# Allegro board pc051b_toplevel_177.brd (continued)
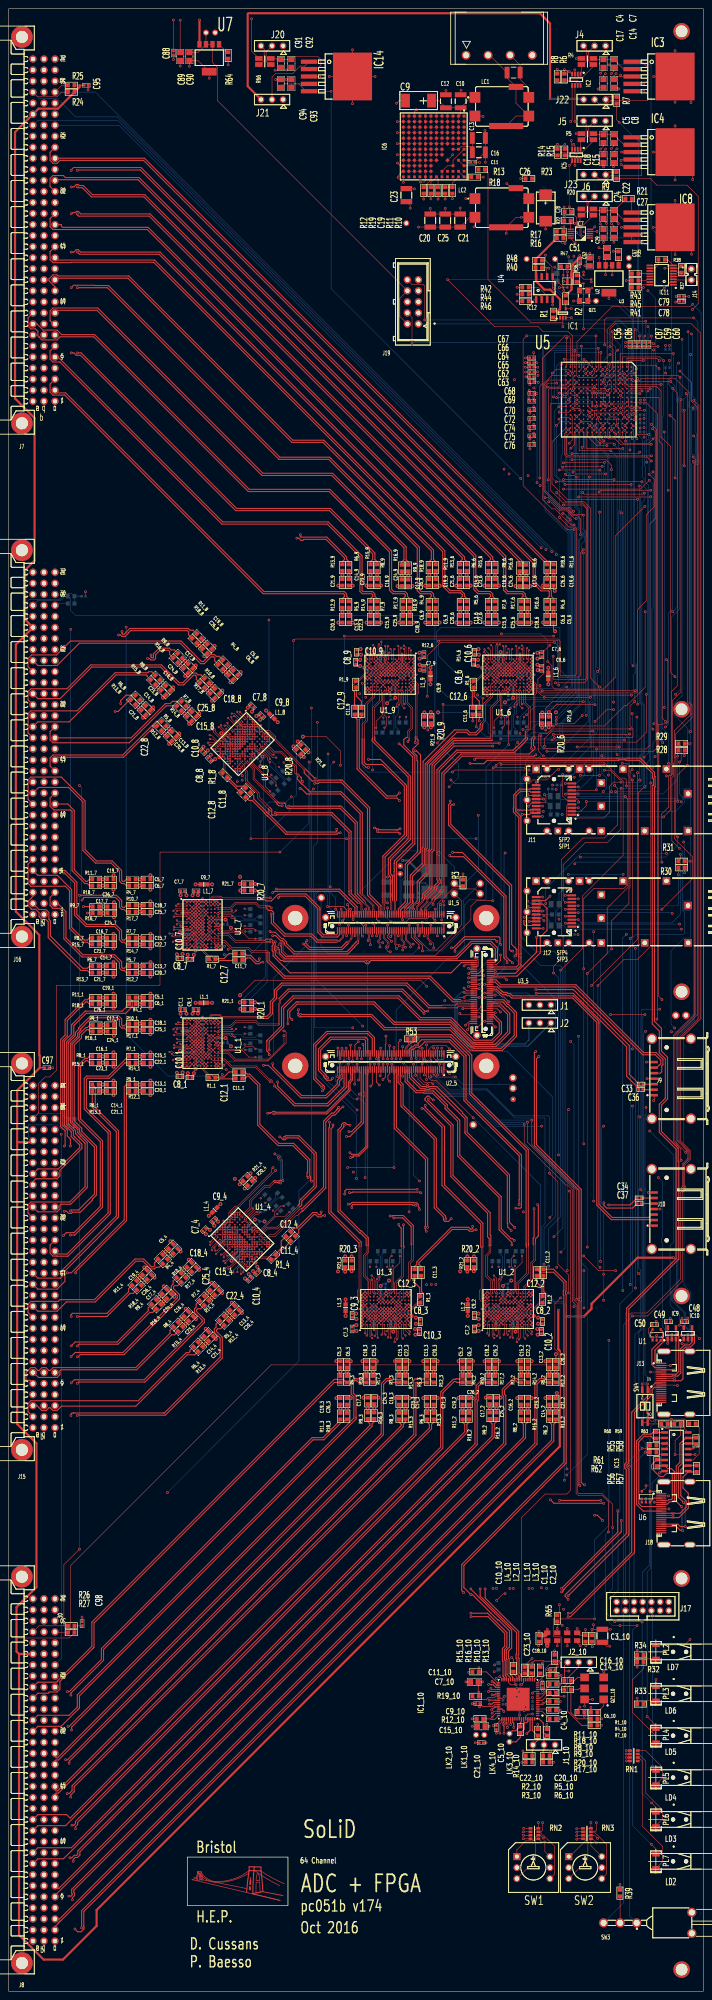
[diagram p0: board, top side]
## Nets (continued)

## Via types
v1: diameter 0.61, hole 0.33, TOP to BOTTOM, 1366 vias
v2: diameter 0.476, hole 0.2, TOP to BOTTOM, 896 vias
v3: diameter 0.914, hole 0.406, TOP to BOTTOM, 408 vias

## Routing (per net, layer and track width the routed paths; a pad name or vN(x,y) marks a point on that pad's centre or on a via; arc(x,y) is an arc through that point)
1.5VOUT: length 29.9
  TOP w0.18: U2_5.20 v1(95.75,214.57)
  L4 w0.13: LK10.1 98.5,205.25 95.16,208.59 95.16,212.15 95.75,212.75 v1(95.75,214.57)
1.8VOUT: length 12.1
  TOP w0.18: U1_5.40 v1(90.75,246.57)
  BOTTOM w0.13: LK11.1 90.14,257.09 90.14,247.17 v1(90.75,246.57)
3.3VCTREF: length 21
  TOP w0.18: U1_5.13 v1(97.25,245.33)
  BOTTOM w0.13: v1(97.25,245.33) 95.78,246.8 91.5,246.8 90.4,247.9 90.4,255.52 91.25,256.37 91.25,257.9 LK12.1
3.3VOUT: length 22.3
  TOP w0.13: v1(102.88,210.37) 98.44,210.37 97.95,210.87 98.25,211.17 U2_5.9
  TOP w0.18: U2_5.11 97.75,210.87 97.95,210.87
  BOTTOM w0.13: LK1.1 115.29,208.66 104.58,208.66 v1(102.88,210.37)
3V3_CONN: length 93.2
  TOP w0.13: LK20.1 U7.3 ; U7.3 45.45,447.96 43.59,446.1 C90.2 ; U7.3 U7.2 46.95,443.83 48.11,442.67 48.11,435.01 J19.8 90.1,389.56 90.1,385.4 J19.2
DGND: length 24.3
  TOP w0.13: LC1.6 116.9,431.5 LC1.4 116.85,434.45 LC1.5 114.8,440.25 C6.1 110.8,445.5 J3.2
GND_SIGNAL: length 2715.6
  TOP w0.13: U1_6.H3 v2(115,305.35) U1_6.G3 ; U1_6.H3 v2(114.2,304.55) ; U1_6.H3 v2(115,304.55) ; v1(130.85,35) 130.95,35.1 RN3.4 ; U1_2.A5 v2(109.45,156.2) U1_2.A4 ; U1_2.A5 109.45,157 ; U1_2.A5 v2(110.25,156.2) ; U1_6.P3 109.5,304.95 v3(109.1,304.55) ; U1_6.P3 v2(110.2,304.55) ; U1_6.P3 v2(110.2,305.35) U1_6.P2 v2(109.4,306.15) U1_6.P1 v2(109.4,306.95) ; v2(45.45,250.2) U1_7.A7 v2(45.45,251) U1_7.A6 ; v2(45.45,250.2) U1_7.A6 ; v2(45.45,250.2) U1_7.B7 ; U1_2.H5 v2(115.05,157) ; U1_2.H5 v2(115.85,157) ; U1_2.H5 v2(115.05,156.2) ; U1_2.H5 v2(115.85,156.2) ; v2(115.05,157) U1_2.H6 v2(115.85,157) ; v2(115.05,157) U1_2.G5 ; v2(115.05,157) U1_2.G6 v2(114.25,157) ; v2(52.72,288.13) U1_8.G3 ; v2(52.72,288.13) U1_8.H3 ; v2(52.72,288.13) U1_8.G4 ; v2(52.72,288.13) U1_8.H4 ; U1_8.G3 v2(53.28,288.7) ; U1_8.G3 v2(52.72,289.26) U1_8.F2 ; U1_8.G3 v2(52.15,288.7) U1_8.H3 ; v2(113.4,302.95) U1_6.K6 v2(112.6,302.95) U1_6.K5 ; v2(113.4,302.95) U1_6.K5 ; v2(113.4,302.95) U1_6.J5 ; v2(113.4,302.95) U1_6.J6 v2(114.2,302.95) ; v2(91.7,157.8) U1_3.P7 v2(92.5,157.8) ; v2(91.7,157.8) U1_3.N6 v2(91.7,157) U1_3.N5 ; v2(91.7,157.8) U1_3.N7 ; v1(151.14,396.49) 151.95,396.49 ; 151.95,396.49 v1(151.95,397.05) 152.02,397.12 IC11.8 151.72,398.5 R38.2 ; 151.95,396.49 IC11.7 154.49,396.49 R37.2 ; J18.5 148.92,112.5 148.87,112.55 v1(148.7,112.55) ; U1_3.A5 v2(81.3,156.2) U1_3.A4 ; U1_3.A5 v2(82.1,156.2) ; U1_3.A5 81.3,157 ; v1(135.4,367.75) 134.85,367.75 ; v1(135.4,367.75) v1(136.4,367.75) 137,367.75 ; v1(135.4,367.75) U5.J8 ; 134.85,367.75 v1(134.4,367.75) U5.K8 ; 134.85,367.75 134.85,368.25 ; v2(83.05,302.15) U1_9.N6 v2(83.05,302.95) U1_9.N5 ; v2(83.05,302.15) U1_9.N7 ; v2(83.05,302.15) U1_9.P7 v2(82.25,302.15) ; v2(115.05,156.2) U1_2.H4 ; v2(115.05,156.2) U1_2.G4 ; v2(115.05,156.2) U1_2.G5 ; U1_2.H4 v2(115.05,155.4) ; U1_2.H4 v2(115.85,155.4) ; U1_2.H4 v2(115.85,156.2) ; 109.45,157 U1_2.A6 ; 109.45,157 v2(108.95,157) ; v2(87.7,157) U1_3.J6 v2(88.5,157) ; v2(87.7,157) U1_3.H5 ; v2(87.7,157) U1_3.H6 v2(86.9,157) ; v2(87.7,157) U1_3.J5 ; U1_8.F4 v2(53.85,288.13) ; U1_8.F4 v2(54.42,288.7) U1_8.F5 v2(54.42,287.57) ; U1_8.F4 v2(53.28,288.7) ; v2(53.85,288.13) U1_8.G5 ; v2(53.85,288.13) U1_8.G4 ; U1_9.H5 v2(87.85,302.95) ; U1_9.H5 v2(87.05,303.75) ; U1_9.H5 v2(87.85,303.75) ; U1_9.H5 v2(87.05,302.95) ; v2(87.85,302.95) U1_9.H6 v2(87.05,302.95) ; v2(87.85,302.95) U1_9.G6 v2(88.65,302.95) ; v2(87.85,302.95) U1_9.G5 ; U1_4.G5 v2(52.67,173) ; U1_4.G5 v2(53.8,173) ; U1_4.G5 v2(53.23,172.43) ; U1_4.G5 v2(53.23,173.57) ; v2(52.67,173) U1_4.F4 ; v2(52.67,173) U1_4.G4 ; U1_7.P10 v2(47.85,239.8) U1_7.P9 v2(47.85,240.6) ; U1_7.P10 v2(48.65,239.8) ; U1_7.P10 v2(48.65,240.6) U1_7.N10 v2(47.85,240.6) ; U1_7.P10 v2(47.85,240.6) ; v2(57.81,289.83) U1_8.A7 v2(58.38,290.39) U1_8.A6 ; v2(57.81,289.83) U1_8.B7 ; v2(57.81,289.83) U1_8.A6 ; U1_3.A10 v2(82.1,161) U1_3.B10 82.1,160.2 ; U1_3.A10 82.1,160.2 ; U1_3.A10 81.42,160.32 81.42,160.2 ; U1_7.H3 v2(42.25,245.4) U1_7.G3 ; U1_7.H3 v2(43.05,244.6) ; U1_7.H3 v2(43.05,245.4) ; v1(127.8,393.45) U4.7 U4.2 128.7,395.63 v1(128.73,395.65) ; 113.4,303.63 113.28,303.63 U1_6.K5 ; 113.4,303.63 v2(113.4,303.75) U1_6.J4 ; 113.4,303.63 113.52,303.63 U1_6.J5 ; U1_8.H3 v2(52.15,287.57) ; v2(52.72,285.87) U1_8.K6 v2(52.15,285.3) U1_8.K5 ; v2(52.72,285.87) U1_8.K5 ; v2(52.72,285.87) U1_8.J5 ; v2(52.72,285.87) U1_8.J6 v2(53.28,286.43) ; U1_1.G5 v2(43.85,218.95) ; U1_1.G5 v2(43.85,218.15) ; U1_1.G5 v2(44.65,218.95) ; U1_1.G5 v2(44.65,218.15) ; v2(43.85,218.95) U1_1.F4 ; v2(43.85,218.95) U1_1.G4 ; IC3.6 v1(148.57,440.6) ; IC3.6 v1(153.5,446.53) ; IC3.6 157.15,436.95 v1(157.15,434.6) ; IC3.6 v1(153.5,434.67) ; R14.1 v1(126.4,425) ; v2(86.25,302.95) U1_9.J5 ; v2(86.25,302.95) U1_9.K5 ; v2(86.25,302.95) U1_9.J6 v2(87.05,302.95) ; v2(86.25,302.95) U1_9.K6 v2(85.45,302.95) U1_9.K5 ; U1_9.J5 v2(87.05,303.75) ; U1_9.J5 v2(87.05,302.95) ; U1_9.J5 86.37,303.63 86.25,303.63 ; v1(137.5,423.9) 137,423.4 C18.1 ; U1_8.H5 v2(52.72,287) ; U1_8.H5 v2(53.28,286.43) ; U1_8.H5 v2(53.85,287) ; U1_8.H5 v2(53.28,287.57) ; v2(52.72,287) U1_8.J5 ; v2(52.72,287) U1_8.H4 ; v2(52.72,287) U1_8.J4 ; v2(49.32,284.74) U1_8.N4 v2(49.89,285.3) U1_8.M4 v2(50.46,285.87) U1_8.M3 v2(49.89,286.43) U1_8.L2 v2(49.32,287) U1_8.L1 49.18,287.71 v2(48.76,287.71) ; v2(49.32,284.74) U1_8.P4 ; v2(49.32,284.74) U1_8.P3 ; U1_1.H3 v2(43.05,218.15) ; U1_1.H3 v2(42.25,218.15) U1_1.G3 ; U1_1.H3 v2(43.05,217.35) ; v2(43.05,218.15) U1_1.G4 ; v2(43.05,218.15) U1_1.G3 ; v2(43.05,218.15) U1_1.H4 ; IC5.3 130.43,424.73 v1(130.15,425) ; U1_7.B4 v2(43.05,250.2) U1_7.A4 ; U1_7.B4 v2(43.05,249.4) ; U1_7.B4 v2(43.85,250.2) ; U1_3.H9 87.33,159.83 87.33,160.57 U1_3.H10 87.33,160.63 87.33,161.06 v2(87.66,161.39) ; v2(115,302.95) U1_6.H6 v2(114.2,302.95) ; v2(115,302.95) U1_6.G6 v2(115.8,302.95) ; v2(115,302.95) U1_6.H5 ; v2(115,302.95) U1_6.G5 ; 43.97,216.55 43.97,216.67 U1_1.J5 ; 43.97,216.55 43.97,216.43 U1_1.K5 ; 43.97,216.55 v2(43.85,216.55) U1_1.J4 ; U1_8.A10 v2(60.07,288.7) U1_8.A9 ; U1_8.A10 59.51,288.13 ; U1_8.A10 v2(60.07,287.57) U1_8.B10 59.51,288.13 ; U1_7.H4 v2(43.85,244.6) ; U1_7.H4 v2(43.05,244.6) ; U1_7.H4 v2(43.85,245.4) ; U1_7.H4 v2(43.05,245.4) ; v2(43.85,244.6) U1_7.H5 ; v2(43.85,244.6) U1_7.J4 ; v2(43.85,244.6) U1_7.J5 ; v2(53.8,173) U1_4.G6 v2(53.23,173.57) ; v2(53.8,173) U1_4.H6 v2(54.37,172.43) ; v2(53.8,173) U1_4.H5 ; U1_1.D5 U1_1.C6 U1_1.B5 v2(43.85,222.95) ; U1_1.D5 v2(43.85,221.35) U1_1.C4 v2(43.05,222.15) ; U1_1.D5 v2(43.85,220.55) U1_1.E5 ; v2(110.2,304.55) U1_6.P4 ; v2(110.2,304.55) U1_6.N4 v2(111,304.55) U1_6.M4 v2(111.8,304.55) U1_6.M3 v2(111.8,305.35) U1_6.L2 v2(111.8,306.15) U1_6.L1 112.2,306.75 v2(111.9,307.05) ; 82.1,160.2 U1_3.B9 v2(82.1,159.4) U1_3.A9 ; 82.1,160.2 U1_3.A9 ; v2(115.85,154.6) U1_2.J2 U1_2.J1 116.75,152.9 v3(116.75,151.8) ; 120.48,304.55 120.48,304.43 U1_6.A4 ; 120.48,304.55 120.48,304.67 U1_6.A3 v2(120.6,305.35) U1_6.A2 v2(120.6,306.15) U1_6.A1 v2(120.6,306.95) ; 120.48,304.55 v2(120.6,304.55) ; v2(114.2,305.35) U1_6.J2 U1_6.J1 113.3,307.05 v3(113.3,308.15) ; U1_2.A10 109.57,160.32 109.57,160.2 ; U1_2.A10 110.25,160.2 ; U1_2.A10 v2(110.25,161) U1_2.B10 110.25,160.2 ; U1_3.F1 v2(85.3,153.8) U1_3.F2 ; U1_4.N9 v2(59.46,171.87) ; v2(59.46,171.87) U1_4.P10 ; v2(59.46,171.87) U1_4.P9 v2(60.02,171.3) U1_4.P10 ; v2(59.46,171.87) U1_4.N10 v2(60.02,172.43) U1_4.P10 ; U1_3.A9 81.4,159.5 v2(81.2,159.5) ; U1_3.A9 81.42,160.08 81.42,160.2 ; v2(87.05,303.75) U1_9.J4 ; v2(87.05,303.75) U1_9.H4 ; v2(43.85,215.75) U1_1.K5 ; U1_1.K5 v2(44.65,215.75) U1_1.K6 v2(44.65,216.55) ; U1_1.K5 v2(44.65,216.55) ; U1_1.B4 v2(43.05,222.95) U1_1.A4 ; U1_1.B4 v2(43.05,222.15) ; U1_1.B4 v2(43.85,222.95) ; v2(114.25,157) U1_2.F5 v2(113.45,156.2) U1_2.F4 ; v2(114.25,157) U1_2.G5 ; v2(114.25,157) U1_2.F6 ; v2(91.7,160.2) U1_3.P10 ; v2(91.7,160.2) U1_3.N10 v2(91.7,161) U1_3.P10 ; v2(91.7,160.2) U1_3.N9 ; v2(91.7,160.2) U1_3.P9 v2(92.5,160.2) U1_3.P10 ; U1_3.P10 v2(92.5,161) ; v2(82.1,156.2) U1_3.A4 ; v2(82.1,156.2) U1_3.B4 ; v2(82.1,156.2) U1_3.B5 U1_3.C6 U1_3.D5 ; 134.85,368.25 137.9,368.25 U5.F6 138.35,368.75 v1(137.95,368.35) ; 134.85,368.25 133.9,368.25 U5.L6 ; v2(51.59,288.13) U1_8.J2 U1_8.J1 49.75,288.7 v3(48.97,289.47) ; C76.1 v1(120.05,354.9) ; v2(40.55,215.05) 40.85,215.35 U1_1.L1 v2(41.45,214.95) U1_1.L2 v2(42.25,214.95) U1_1.M3 v2(43.05,214.95) U1_1.M4 v2(43.05,214.15) U1_1.N4 v2(43.05,213.35) ; U1_9.B4 v2(92.65,303.75) ; U1_9.B4 v2(91.85,304.55) ; U1_9.B4 v2(92.65,304.55) U1_9.A4 ; v2(92.65,303.75) U1_9.A4 ; v2(92.65,303.75) U1_9.A5 ; v2(92.65,303.75) U1_9.B5 U1_9.C6 U1_9.D5 ; U1_2.K5 v2(117.45,157) U1_2.K6 v2(116.65,157) ; U1_2.K5 v2(117.45,156.2) ; U1_2.K5 v2(116.65,157) ; U1_2.K5 116.77,156.32 116.65,156.32 ; v2(59.65,289.26) 59.51,289.12 U1_8.A9 ; v2(53.28,288.7) U1_8.G4 ; U5.G7 137,367.75 ; 137,367.75 137,366.75 ; U1_7.P4 v2(43.05,240.6) ; v2(43.05,240.6) U1_7.P3 ; v2(43.05,240.6) U1_7.N4 v2(43.05,241.4) U1_7.M4 v2(43.05,242.2) U1_7.M3 v2(42.25,242.2) U1_7.L2 v2(41.45,242.2) U1_7.L1 40.85,242.6 v2(40.55,242.3) ; 44.65,251 v2(44.65,251.5) ; 44.65,251 U1_7.A6 ; 44.65,251 U1_7.A5 ; v2(83.05,299.75) U1_9.P10 ; v2(83.05,299.75) U1_9.N10 v2(83.05,298.95) U1_9.P10 ; v2(83.05,299.75) U1_9.P9 v2(82.25,299.75) U1_9.P10 ; v2(83.05,299.75) U1_9.N9 ; U1_9.P10 v2(82.25,298.95) ; v1(138.8,441.25) 139.4,441.85 C7.1 ; v2(119.85,157.8) U1_2.P7 v2(120.65,157.8) ; v2(119.85,157.8) U1_2.N6 v2(119.85,157) U1_2.N5 ; v2(119.85,157.8) U1_2.N7 ; U1_8.D5 v2(54.98,289.26) U1_8.E5 ; U1_8.D5 v2(55.55,289.83) U1_8.C4 v2(55.55,290.96) ; U1_8.D5 U1_8.C6 U1_8.B5 v2(56.68,290.96) ; v1(153.65,388.7) 153.85,388.9 C78.1 ; v2(114.25,298.56) 114.57,298.89 114.57,299.32 U1_6.H10 114.57,299.38 114.57,300.12 U1_6.H9 ; U1_1.H5 v2(43.85,217.35) ; U1_1.H5 v2(43.85,218.15) ; U1_1.H5 v2(44.65,218.15) ; U1_1.H5 v2(44.65,217.35) ; v2(43.85,217.35) U1_1.J4 ; v2(43.85,217.35) U1_1.J5 ; v2(43.85,217.35) U1_1.H4 ; U1_1.A4 43.17,223.63 43.05,223.63 ; U1_1.A4 v2(43.85,223.75) U1_1.A5 ; U1_1.A4 v2(43.85,222.95) ; U1_7.A10 v2(48.65,250.2) U1_7.B10 47.85,250.2 ; U1_7.A10 47.97,250.88 47.85,250.88 ; U1_7.A10 47.85,250.2 ; U1_1.G4 v2(43.05,218.95) ; U1_1.G4 v2(43.85,218.15) ; U1_4.N7 v2(57.76,170.17) ; v2(57.76,170.17) U1_4.N6 v2(57.19,169.61) U1_4.N5 ; v2(57.76,170.17) U1_4.P7 v2(58.33,169.61) ; U1_7.A4 43.17,250.88 43.05,250.88 ; U1_7.A4 v2(43.85,251) U1_7.A5 ; U1_7.A4 v2(43.85,250.2) ; U1_3.F4 v2(86.1,155.4) ; U1_3.F4 v2(86.1,156.2) ; U1_3.F4 v2(85.3,156.2) U1_3.F5 v2(86.1,157) ; v2(86.1,155.4) U1_3.G4 ; v2(86.1,155.4) U1_3.G3 ; 136.4,365.25 U5.H9 137,365.75 ; 136.4,365.25 U5.H10 v1(135.4,364.75) ; 136.4,365.25 v1(136.9,365.25) 137.4,364.75 U5.G10 U5.G9 137,365.75 ; U1_9.F1 v2(89.45,306.15) U1_9.F2 ; U1_6.B4 v2(119.8,303.75) ; U1_6.B4 v2(119,304.55) ; U1_6.B4 v2(119.8,304.55) U1_6.A4 ; v2(119.8,303.75) U1_6.A4 ; v2(119.8,303.75) U1_6.A5 ; v2(119.8,303.75) U1_6.B5 U1_6.C6 U1_6.D5 ; U1_9.J4 v2(87.05,304.55) ; U1_9.J4 v2(86.25,303.75) 86.25,303.63 ; U1_8.F2 v2(52.72,290.39) U1_8.F1 ; U1_8.F2 v2(53.28,289.83) ; C68.1 120.05,368.25 v1(119.9,368.4) ; U1_7.G3 v2(42.25,246.2) U1_7.F2 ; U1_7.G3 v2(43.05,246.2) ; U1_7.G3 v2(43.05,245.4) ; U1_6.G5 v2(115.8,303.75) ; U1_6.G5 v2(115.8,302.95) ; U1_6.G5 v2(115,303.75) ; v2(115.8,303.75) U1_6.F4 ; v2(115.8,303.75) U1_6.G4 ; v2(88.65,302.95) U1_9.F6 ; v2(88.65,302.95) U1_9.G5 ; v2(88.65,302.95) U1_9.F5 v2(89.45,303.75) U1_9.F4 ; v1(61.35,442.05) 62.05,442.05 C91.1 ; U1_1.J4 v2(43.05,217.35) ; v2(44.65,217.35) U1_1.J6 v2(44.65,216.55) ; v2(44.65,217.35) U1_1.H6 v2(44.65,218.15) ; v2(44.65,217.35) U1_1.J5 ; U1_4.B4 v2(49.27,175.26) U1_4.A4 ; U1_4.B4 v2(49.84,174.7) ; U1_4.B4 v2(49.84,175.83) ; v2(110.2,299.75) U1_6.N10 v2(110.2,298.95) U1_6.P10 ; v2(110.2,299.75) U1_6.P10 ; v2(110.2,299.75) U1_6.P9 v2(109.4,299.75) U1_6.P10 ; v2(110.2,299.75) U1_6.N9 ; v2(85.45,303.75) U1_9.K5 ; U1_9.K5 86.13,303.63 86.25,303.63 ; v1(119.15,371.5) C62.1 120,372.55 C65.1 v1(119.05,372.6) ; U1_8.K5 v2(52.15,286.43) ; U1_8.K5 v2(51.59,285.87) ; v2(56.06,168.47) U1_4.P3 ; v2(56.06,168.47) U1_4.P4 ; v2(56.06,168.47) U1_4.N4 v2(55.5,169.04) U1_4.M4 v2(54.93,169.61) U1_4.M3 v2(54.37,169.04) U1_4.L2 v2(53.8,168.47) U1_4.L1 53.09,168.33 v2(53.09,167.91) ; U1_4.P3 v2(55.5,167.91) U1_4.P2 v2(55.5,166.78) U1_4.P1 v2(54.93,166.21) ; U1_4.P3 56.27,167.7 v3(56.84,167.7) ; U1_2.P4 v2(119.85,155.4) ; v2(119.85,155.4) U1_2.N4 v2(119.05,155.4) U1_2.M4 v2(118.25,155.4) U1_2.M3 v2(118.25,154.6) U1_2.L2 v2(118.25,153.8) U1_2.L1 117.85,153.2 v2(118.15,152.9) ; v2(119.85,155.4) U1_2.P3 ; C51.1 v1(131.55,396.85) ; v2(114.2,304.55) U1_6.J4 ; v2(114.2,304.55) U1_6.H4 ; v2(81.3,160.2) 81.42,160.2 ; U1_9.A5 v2(93.45,303.75) U1_9.A4 ; U1_9.A5 93.45,302.95 ; v1(119.95,361.05) 120.05,361.15 C72.1 ; U1_1.N7 v2(45.45,213.35) ; v2(45.45,213.35) U1_1.N6 v2(44.65,213.35) U1_1.N5 ; v2(45.45,213.35) U1_1.P7 v2(45.45,212.55) ; U1_4.K5 v2(54.37,171.3) ; U1_4.K5 v2(55.5,171.3) U1_4.K6 v2(54.93,171.87) ; U1_4.K5 v2(54.93,170.74) ; U1_4.K5 v2(54.93,171.87) ; v2(54.37,171.3) U1_4.J4 ; v2(54.37,171.3) U1_4.J5 ; U1_8.C3 v2(54.98,291.53) ; U1_8.C3 v2(54.42,290.96) U1_8.D2 U1_8.D1 53.24,291.53 v2(52.4,292.37) ; U1_8.C3 v2(55.55,290.96) ; v2(86.9,157) U1_3.G6 v2(86.1,157) ; v2(86.9,157) U1_3.G5 ; v2(86.9,157) U1_3.H5 ; R29.2 v1(156.8,287.1) ; v2(43.05,217.35) U1_1.H4 ; v2(44.65,243.8) U1_7.J6 v2(44.65,244.6) ; v2(44.65,243.8) U1_7.J5 ; v2(44.65,243.8) U1_7.K5 ; v2(44.65,243.8) U1_7.K6 v2(44.65,243) U1_7.K5 ; v2(52.15,287.57) U1_8.H4 ; v2(52.15,287.57) U1_8.J4 ; U1_8.A5 v2(56.68,290.96) ; U1_8.A5 v2(57.24,291.53) U1_8.A4 ; U1_8.A5 57.81,290.96 ; v2(56.68,290.96) U1_8.A4 ; v2(56.68,290.96) U1_8.B4 ; U1_1.F1 v2(41.45,219.75) U1_1.F2 ; U1_9.F2 v2(88.65,305.35) U1_9.G3 ; U1_9.F2 v2(89.45,305.35) ; U1_1.A10 v2(48.65,222.95) U1_1.B10 47.85,222.95 ; U1_1.A10 47.85,222.95 ; U1_1.A10 47.97,223.63 47.85,223.63 ; U1_1.P10 v2(48.65,213.35) U1_1.N10 v2(47.85,213.35) ; U1_1.P10 v2(47.85,213.35) ; U1_1.P10 v2(48.65,212.55) ; U1_1.P10 v2(47.85,212.55) U1_1.P9 v2(47.85,213.35) ; U1_7.F4 v2(43.85,247) U1_7.F5 v2(44.65,246.2) ; U1_7.F4 v2(43.85,246.2) ; U1_7.F4 v2(43.05,246.2) ; v2(86.9,156.2) U1_3.G4 ; v2(86.9,156.2) U1_3.H4 ; v2(86.9,156.2) U1_3.G5 ; v2(86.9,156.2) U1_3.H5 ; U1_3.G4 v2(86.9,155.4) ; U1_3.G4 v2(86.1,156.2) ; v2(91.7,155.4) U1_3.P3 ; v2(91.7,155.4) U1_3.N4 v2(90.9,155.4) U1_3.M4 v2(90.1,155.4) U1_3.M3 v2(90.1,154.6) U1_3.L2 v2(90.1,153.8) U1_3.L1 89.7,153.2 v2(90,152.9) ; v2(91.7,155.4) U1_3.P4 ; U1_3.P3 92.4,155 v3(92.8,155.4) ; U1_3.P3 v2(91.7,154.6) U1_3.P2 v2(92.5,153.8) U1_3.P1 v2(92.5,153) ; C92.1 64.5,442.1 v1(63.97,442.1) ; v2(47.15,223.85) 47.15,223.65 U1_1.A9 ; U1_4.D5 U1_4.C6 U1_4.B5 v2(49.84,175.83) ; U1_4.D5 v2(50.97,174.7) U1_4.C4 v2(49.84,174.7) ; U1_4.D5 v2(51.54,174.13) U1_4.E5 ; 52.67,178.66 U1_4.A9 ; 52.67,178.66 U1_4.B9 v2(52.1,178.09) U1_4.A9 ; 52.67,178.66 U1_4.A10 ; 52.67,178.66 U1_4.B10 v2(53.23,179.22) U1_4.A10 ; U1_4.A9 v2(52.1,179.22) U1_4.A10 ; U1_4.A9 51.68,178.66 v2(51.54,178.8) ; v1(135,406) 134.45,405.45 IC7.5 ; U1_2.P10 v2(119.85,161) U1_2.N10 v2(119.85,160.2) ; U1_2.P10 v2(120.65,161) ; U1_2.P10 v2(119.85,160.2) ; U1_2.P10 v2(120.65,160.2) U1_2.P9 v2(119.85,160.2) ; U1_7.G4 v2(43.05,245.4) ; U1_7.G4 v2(43.85,246.2) ; U1_7.G4 v2(43.05,246.2) ; U1_7.G4 v2(43.85,245.4) ; v3(39.45,243.7) 40.55,243.7 U1_7.J1 U1_7.J2 v2(42.25,244.6) ; v1(140.4,406.75) 139.45,407.7 C22.1 ; v2(54.37,172.43) U1_4.J6 v2(54.93,171.87) ; v2(54.37,172.43) U1_4.J5 ; v2(54.37,172.43) U1_4.H5 ; RN1.1 v1(142.25,55.4) ; v1(90.75,217.36) U2_5.40 ; RN1.4 v1(142.3,53) ; U1_9.A4 93.33,304.43 93.33,304.55 ; v2(109.45,153) U1_2.A1 v2(109.45,153.8) U1_2.A2 v2(109.45,154.6) U1_2.A3 109.57,155.28 109.57,155.4 ; v2(47.85,240.6) U1_7.N9 ; U1_2.N9 v2(119.85,160.2) ; U1_2.G3 v2(114.25,154.6) U1_2.F2 ; U1_2.G3 v2(114.25,155.4) ; U1_2.G3 v2(115.05,155.4) ; U1_2.G3 v2(115.05,154.6) U1_2.H3 ; 120.48,299.75 120.48,299.63 U1_6.A10 ; 120.48,299.75 120.48,299.87 U1_6.A9 ; 120.48,299.75 v2(120.6,299.75) ; SW4.1 v1(147.19,139.75) ; IC4.6 v1(153.5,429.25) ; IC4.6 v1(153.5,416.8) ; IC4.6 157.55,419.15 v1(157.55,416.9) ; IC4.6 v1(148.5,423.2) ; IC1.3 v1(129.6,385.1) ; U1_9.A10 v2(92.65,298.95) U1_9.B10 92.65,299.75 ; U1_9.A10 93.33,299.63 93.33,299.75 ; U1_9.A10 92.65,299.75 ; 93.45,302.95 v2(93.95,302.95) ; 93.45,302.95 U1_9.A6 ; U1_9.H9 87.42,300.12 87.42,299.38 U1_9.H10 87.42,299.32 87.42,298.89 v2(87.09,298.56) ; v2(43.85,246.2) U1_7.G5 ; U1_3.H4 v2(87.7,155.4) ; U1_3.H4 v2(86.9,155.4) ; U1_3.H4 v2(87.7,156.2) ; v2(87.7,155.4) U1_3.J4 ; v2(87.7,155.4) U1_3.H3 ; U1_3.H3 v2(86.9,154.6) U1_3.G3 ; U1_3.H3 v2(86.9,155.4) ; U1_7.H5 v2(44.65,244.6) ; U1_7.H5 v2(44.65,245.4) ; U1_7.H5 v2(43.85,245.4) ; v2(112.6,303.75) U1_6.K5 ; 109.57,155.4 109.57,155.52 U1_2.A4 ; 109.57,155.4 v2(109.45,155.4) ; v2(116.6,305.35) U1_6.F2 ; U1_6.F2 v2(116.6,306.15) U1_6.F1 ; U1_6.F2 v2(115.8,305.35) U1_6.G3 ; U1_8.A4 v2(56.11,291.53) U1_8.B4 ; U1_8.A4 v2(56.68,292.09) U1_8.A3 v2(56.11,292.66) U1_8.A2 v2(55.55,293.22) U1_8.A1 v2(54.98,293.79) ; 47.85,250.2 U1_7.A9 ; 47.85,250.2 U1_7.B9 v2(47.05,250.2) U1_7.A9 ; U1_7.A9 47.15,250.9 v2(47.15,251.1) ; U1_7.A9 47.73,250.88 47.85,250.88 ; U5.K9 U5.K10 v1(135.4,364.75) ; U1_9.D5 v2(91.05,303.75) U1_9.C4 v2(91.85,304.55) ; U1_9.D5 v2(90.25,303.75) U1_9.E5 ; U5.F11 138.85,364.2 v1(139.85,364.2) ; U1_4.H9 56.11,174.7 56.63,175.22 U1_4.H10 56.67,175.26 56.98,175.57 v2(57.44,175.57) ; v1(114.6,404.5) LC2.6 116.9,408.2 LC2.4 v1(118.12,408.2) ; v2(115.8,302.95) U1_6.F5 v2(116.6,303.75) U1_6.F4 ; v2(115.8,302.95) U1_6.F6 ; U2_5.59 85.75,210.85 v1(85.55,210.65) ; v2(83.05,304.55) U1_9.N4 v2(83.85,304.55) U1_9.M4 v2(84.65,304.55) U1_9.M3 v2(84.65,305.35) U1_9.L2 v2(84.65,306.15) U1_9.L1 85.05,306.75 v2(84.75,307.05) ; v2(83.05,304.55) U1_9.P4 ; v2(83.05,304.55) U1_9.P3 ; v2(43.05,244.6) U1_7.J4 ; IC14.6 v1(79.2,446.75) ; IC14.6 v1(84.4,440.6) ; IC14.6 v1(73.85,440.6) ; IC14.6 v1(79.2,434.35) ; v2(93.55,300.45) 93.35,300.45 U1_9.A9 ; 93.33,299.75 93.33,299.87 U1_9.A9 ; 93.33,299.75 v2(93.45,299.75) ; v2(43.85,218.15) U1_1.H4 ; v2(42.25,219.75) U1_1.F2 ; U1_1.F2 v2(42.25,218.95) U1_1.G3 ; U1_6.A5 v2(120.6,303.75) U1_6.A4 ; U1_6.A5 120.6,302.95 ; v1(142.05,378.5) C56.1 C86.1 C87.1 C59.1 C60.1 v1(149.55,378.5) ; IC8.3 v1(141.15,405.9) ; U1_1.A9 v2(47.05,222.95) U1_1.B9 47.85,222.95 ; U1_1.A9 47.85,222.95 ; U1_1.A9 47.73,223.63 47.85,223.63 ; 119.8,299.75 U1_6.A9 ; 119.8,299.75 U1_6.B9 v2(119.8,300.55) U1_6.A9 ; 119.8,299.75 U1_6.B10 v2(119.8,298.95) U1_6.A10 ; 119.8,299.75 U1_6.A10 ; U1_6.A9 120.5,300.45 v2(120.7,300.45) ; v2(44.65,218.15) U1_1.G6 v2(44.65,218.95) ; C2_10.1 134.35,79.4 v1(134.45,79.3) ; v2(56.42,283.37) 56.42,283.82 56.11,284.12 U1_8.H10 56.07,284.17 55.55,284.69 U1_8.H9 ; v2(88.65,304.55) U1_9.G3 ; v2(88.65,304.55) U1_9.F4 ; v2(88.65,304.55) U1_9.G4 ; U1_9.G3 v2(87.85,304.55) ; U1_9.G3 v2(87.85,305.35) U1_9.H3 ; v2(44.65,244.6) U1_7.J5 ; v2(44.65,244.6) U1_7.H6 v2(44.65,245.4) ; U1_7.G5 v2(44.65,245.4) ; U1_7.G5 v2(44.65,246.2) ; U1_7.G5 v2(43.85,245.4) ; v2(44.65,245.4) U1_7.G6 v2(44.65,246.2) ; U1_4.P10 v2(60.59,171.87) ; v2(91.85,304.55) U1_9.C3 ; v2(115.85,157) U1_2.J5 ; v2(115.85,157) U1_2.J6 v2(116.65,157) ; v2(52.15,286.43) U1_8.J4 ; v2(52.15,286.43) U1_8.J5 ; U1_9.G5 v2(87.85,303.75) ; U1_9.G5 v2(88.65,303.75) ; v2(87.85,303.75) U1_9.H4 ; v2(87.85,303.75) U1_9.G4 ; v1(135.95,401.2) 136.15,401 C57.1 ; U1_6.J5 v2(114.2,303.75) ; U1_6.J5 v2(114.2,302.95) ; v2(114.2,303.75) U1_6.H5 ; v2(114.2,303.75) U1_6.J4 ; v2(114.2,303.75) U1_6.H4 ; v2(115.85,156.2) U1_2.J4 ; v2(115.85,156.2) U1_2.J5 ; U1_2.J4 v2(116.65,156.2) 116.65,156.32 ; U1_2.J4 v2(115.85,155.4) ; v2(53.23,171.3) U1_4.H4 ; v2(53.23,171.3) U1_4.J4 ; v2(53.23,171.3) U1_4.H3 ; U1_4.H4 v2(52.67,171.87) ; U1_4.H4 v2(53.8,171.87) ; U1_4.H4 v2(53.23,172.43) ; U1_4.G4 v2(52.67,171.87) ; U1_4.G4 v2(53.23,172.43) ; U1_4.G4 v2(52.1,172.43) ; v2(52.67,171.87) U1_4.H3 ; v2(52.67,171.87) U1_4.G3 ; U1_1.A5 v2(43.85,222.95) ; U1_1.A5 44.65,223.75 ; 43.97,243.8 43.97,243.92 U1_7.J5 ; 43.97,243.8 v2(43.85,243.8) U1_7.J4 ; 43.97,243.8 43.97,243.68 U1_7.K5 ; 49.84,176.96 U1_4.A6 ; 49.84,176.96 U1_4.A5 ; 49.84,176.96 v2(49.49,177.31) ; U1_4.A6 v2(50.41,177.53) U1_4.A7 v2(50.97,176.96) ; U1_4.A6 v2(50.97,176.96) ; v2(86.1,157) U1_3.G5 ; v2(86.1,157) U1_3.F6 ; U1_3.D5 v2(84.5,156.2) U1_3.E5 ; U1_3.D5 v2(83.7,156.2) U1_3.C4 v2(82.9,155.4) ; v2(40.65,251) U1_7.A1 v2(41.45,251) U1_7.A2 v2(42.25,251) U1_7.A3 42.93,250.88 43.05,250.88 ; U1_2.A4 v2(110.25,156.2) ; U1_2.A4 v2(110.25,155.4) U1_2.B4 ; R46.2 v1(117.1,388.9) ; U1_8.H4 v2(53.28,287.57) ; v3(48.55,283.96) 48.55,284.53 U1_8.P3 ; U1_1.P3 v2(42.25,213.35) U1_1.P2 v2(41.45,212.55) U1_1.P1 v2(40.65,212.55) ; U1_1.P3 42.65,212.65 v3(43.05,212.25) ; U1_1.P3 v2(43.05,213.35) ; v2(88.5,157) U1_3.K6 v2(89.3,157) U1_3.K5 ; v2(88.5,157) U1_3.K5 ; v2(88.5,157) U1_3.J5 ; v2(119.8,302.15) U1_6.A7 v2(120.6,302.15) U1_6.A6 ; v2(119.8,302.15) U1_6.B7 ; v2(119.8,302.15) U1_6.A6 ; v2(115.05,155.4) U1_2.H3 ; v2(115.05,155.4) U1_2.G4 ; U1_8.G5 v2(53.85,287) ; U1_8.G5 v2(54.42,287.57) ; U1_8.G5 v2(53.28,287.57) ; v2(53.85,287) U1_8.H6 v2(53.28,286.43) ; v2(53.85,287) U1_8.G6 v2(54.42,287.57) ; v2(44.65,246.2) U1_7.F6 ; v1(114.75,415.95) 115.8,414.9 LC2.5 ; v3(51.33,168.12) 52.1,168.9 U1_4.J1 U1_4.J2 v2(52.67,170.74) ; v2(43.05,218.95) U1_1.G3 ; v2(43.05,218.95) U1_1.F4 ; v2(115.85,155.4) U1_2.H3 ; 93.33,304.55 93.33,304.67 U1_9.A3 v2(93.45,305.35) U1_9.A2 v2(93.45,306.15) U1_9.A1 v2(93.45,306.95) ; 93.33,304.55 v2(93.45,304.55) ; U1_9.P3 v2(83.05,305.35) U1_9.P2 v2(82.25,306.15) U1_9.P1 v2(82.25,306.95) ; U1_9.P3 82.35,304.95 v3(81.95,304.55) ; 116.65,156.32 116.53,156.32 U1_2.J5 ; v2(49.84,174.7) U1_4.C3 ; U1_4.C3 v2(49.27,174.13) ; U1_4.C3 v2(49.84,173.57) U1_4.D2 U1_4.D1 49.27,172.39 v2(48.43,171.55) ; v2(45.45,239.8) U1_7.P7 v2(45.45,240.6) ; v2(54.93,171.87) U1_4.J5 ; U1_8.A9 v2(58.94,288.7) U1_8.B9 59.51,288.13 ; U1_8.A9 59.51,288.13 ; v1(136.35,423.9) 137,424.55 C5.1 ; 44.65,223.75 v2(44.65,224.25) ; 44.65,223.75 U1_1.A6 ; U1_2.G4 v2(114.25,156.2) ; U1_2.G4 v2(114.25,155.4) ; U1_2.D5 U1_2.C6 U1_2.B5 v2(110.25,156.2) ; U1_2.D5 v2(112.65,156.2) U1_2.E5 ; U1_2.D5 v2(111.85,156.2) U1_2.C4 v2(111.05,155.4) ; U1_4.A4 v2(48.71,175.83) U1_4.A3 v2(48.14,175.26) U1_4.A2 v2(47.58,174.7) U1_4.A1 v2(47.01,174.13) ; U1_4.A4 v2(49.84,175.83) ; U1_4.A4 v2(49.27,176.39) U1_4.A5 ; v2(53.23,173.57) U1_4.F5 v2(52.1,173.57) U1_4.F4 ; v2(53.23,173.57) U1_4.F6 ; v2(49.84,175.83) U1_4.A5 ; v2(52.72,281.34) U1_8.P9 v2(52.15,280.78) U1_8.P10 ; v2(52.72,281.34) U1_8.N10 v2(53.28,280.78) U1_8.P10 ; v2(52.72,281.34) U1_8.N9 ; v2(52.72,281.34) U1_8.P10 ; v2(114.25,155.4) U1_2.F4 ; C66.1 v1(119.05,374.75) ; U1_8.J5 v2(53.28,286.43) ; U1_3.F2 v2(86.1,154.6) U1_3.G3 ; U1_3.F2 v2(85.3,154.6) ; v2(87.05,304.55) U1_9.H3 ; v2(87.05,304.55) U1_9.H4 ; U1_9.H3 v2(87.85,304.55) ; v2(45.45,240.6) U1_7.N7 ; v2(45.45,240.6) U1_7.N6 v2(44.65,240.6) U1_7.N5 ; U1_2.F4 v2(114.25,156.2) ; v1(149.88,119.3) 150.29,119.7 151.1,119.7 ; C17_8.1 v3(43.07,305.07) ; U1_6.F4 v2(115.8,304.55) ; U1_8.G4 v2(53.28,287.57) ; U1_1.P4 v2(43.05,213.35) ; v2(43.05,249.4) U1_7.C4 v2(43.85,248.6) U1_7.D5 ; v2(43.05,249.4) U1_7.C3 ; v2(54.42,287.57) U1_8.F6 ; v2(49.04,217.4) 48.71,217.72 48.28,217.72 U1_1.H10 48.22,217.72 47.48,217.72 U1_1.H9 ; v2(114.2,302.95) U1_6.H5 ; v2(53.23,172.43) U1_4.H5 ; U1_3.J4 v2(88.5,156.2) 88.5,156.32 ; U1_3.J4 v2(87.7,156.2) ; v1(156.4,154.9) 156.1,154.6 C48.1 ; U1_4.J5 v2(53.8,171.87) ; v2(53.8,171.87) U1_4.H5 ; v2(53.8,171.87) U1_4.J4 ; 120.6,302.95 U1_6.A6 ; 120.6,302.95 v2(121.1,302.95) ; 81.3,157 U1_3.A6 ; 81.3,157 v2(80.8,157) ; U1_3.A6 v2(82.1,157.8) ; U1_3.A6 v2(81.3,157.8) U1_3.A7 v2(82.1,157.8) ; v2(86.9,155.4) U1_3.G3 ; 109.57,160.2 109.57,160.08 U1_2.A9 ; 109.57,160.2 v2(109.45,160.2) ; v1(157.3,399.7) 157.3,402.1 IC8.6 ; v2(51.02,283.04) U1_8.N6 v2(50.46,283.61) U1_8.N5 ; v2(51.02,283.04) U1_8.N7 ; v2(51.02,283.04) U1_8.P7 v2(50.46,282.47) ; U1_1.F4 v2(43.85,219.75) U1_1.F5 v2(44.65,218.95) ; v1(153.35,141) J13.8 ; v2(50.97,172.43) U1_4.F2 ; U1_4.F2 v2(51.54,171.87) U1_4.G3 ; U1_4.F2 v2(50.41,171.87) U1_4.F1 ; U1_4.B7 v2(50.97,176.96) ; U1_6.G4 v2(115.8,304.55) ; U1_6.G4 v2(115,304.55) ; U1_6.G4 v2(115,303.75) ; v2(115.8,304.55) U1_6.G3 ; U1_6.P10 v2(109.4,298.95) ; U1_9.A9 v2(92.65,300.55) U1_9.B9 92.65,299.75 ; U1_9.A9 92.65,299.75 ; v1(130.85,36.6) 130.95,36.7 RN3.2 ; U1_2.G5 v2(114.25,156.2) ; J13.5 v1(147.8,142.5) ; RN1.3 v1(142.3,53.8) ; v2(115,304.55) U1_6.G3 ; v2(115,304.55) U1_6.H4 ; v2(111.05,155.4) U1_2.C3 ; v2(111.05,155.4) U1_2.B4 ; U1_2.C3 v2(111.05,154.6) ; U1_2.C3 v2(111.85,154.6) U1_2.D2 U1_2.D1 112.28,153.37 v2(112.28,152.17) ; v2(109.4,302.15) U1_6.P7 v2(110.2,302.15) ; U1_1.A6 v2(45.45,222.95) ; U1_1.A6 v2(45.45,223.75) U1_1.A7 v2(45.45,222.95) ; 43.05,223.63 v2(43.05,223.75) ; 43.05,223.63 42.93,223.63 U1_1.A3 v2(42.25,223.75) U1_1.A2 v2(41.45,223.75) U1_1.A1 v2(40.65,223.75) ; C64.1 v1(119,373.7) ; C15.1 139.4,423.25 v1(140.1,423.95) ; U1_8.A6 57.81,290.96 ; U1_9.C3 v2(91.85,305.35) ; U1_9.C3 v2(91.05,305.35) U1_9.D2 U1_9.D1 90.62,306.58 v2(90.62,307.78) ; v2(39.82,248.17) 41.02,248.17 U1_7.D1 U1_7.D2 v2(42.25,248.6) U1_7.C3 ; C94.1 v1(61.5,439.9) ; v2(92.65,302.15) U1_9.A7 v2(93.45,302.15) U1_9.A6 ; v2(92.65,302.15) U1_9.B7 ; v2(92.65,302.15) U1_9.A6 ; v3(38.14,159.81) C24_4.1 C17_4.1 v3(35.73,162.22) ; QZ1.2 v1(130.1,388.95) ; v2(119,304.55) U1_6.C4 v2(118.2,303.75) U1_6.D5 ; v2(119,304.55) U1_6.C3 ; C70.1 v1(120.05,363.1) ; U1_7.D5 U1_7.C6 U1_7.B5 v2(43.85,250.2) ; U1_7.D5 v2(43.85,247.8) U1_7.E5 ; C17.1 137,440.8 v1(137.45,441.25) ; v2(43.85,250.2) U1_7.A5 ; 110.25,160.2 U1_2.A9 ; 110.25,160.2 U1_2.B9 v2(110.25,159.4) U1_2.A9 ; U1_2.B4 v2(110.25,156.2) ; U1_7.K5 v2(43.85,243) ; v2(43.05,222.15) U1_1.C3 ; U1_1.C3 v2(42.25,221.35) U1_1.D2 U1_1.D1 41.02,220.92 v2(39.82,220.92) ; U1_1.C3 v2(42.25,222.15) ; SW4.3 v1(145.91,139.76) ; U1_7.C3 v2(42.25,249.4) ; U1_4.F4 v2(52.1,172.43) ; v2(82.1,157.8) U1_3.B7 ; U1_9.F4 v2(88.65,303.75) ; v2(52.1,172.43) U1_4.G3 ; U1_4.G3 v2(52.1,171.3) U1_4.H3 ; U1_3.A4 81.42,155.52 81.42,155.4 ; U1_3.A4 v2(82.1,155.4) U1_3.B4 ; U1_1.J5 v2(44.65,216.55) ; v2(110.25,157.8) U1_2.A7 v2(109.45,157.8) U1_2.A6 ; v2(110.25,157.8) U1_2.B7 ; v2(110.25,157.8) U1_2.A6 ; v1(90.75,210.54) U2_5.39 ; v1(46.2,440.2) U7.5 43.6,444.3 C90.1 v1(41.6,442.95) ; U1_6.N7 v2(110.2,302.15) ; v2(110.2,302.15) U1_6.N6 v2(110.2,302.95) U1_6.N5 ; U1_8.B4 v2(55.55,290.96) ; C8.1 139.4,424.6 v1(138.8,424) ; C29.1 137,405.95 v1(136.25,406.7) ; IC8.6 v1(148.45,405.9) ; IC8.6 v1(153.5,399.6) ; IC8.6 v1(153.5,412.1) ; U1_6.H5 v2(115,303.75) ; 47.85,250.88 v2(47.85,251) ; R6.1 v1(128,442.15) ; U1_2.F2 v2(113.45,153.8) U1_2.F1 ; U1_2.F2 v2(113.45,154.6) ; 81.42,155.4 81.42,155.28 U1_3.A3 v2(81.3,154.6) U1_3.A2 v2(81.3,153.8) U1_3.A1 v2(81.3,153) ; 81.42,155.4 v2(81.3,155.4) ; U5.H8 137,366.75 ; 137,366.75 137,365.75 ; 137,366.75 U5.G8 ; v2(115,303.75) U1_6.H4 ; RN2.2 v1(118.55,36.7) ; J18.11 v1(153,109.5) ; J18.2 v1(152,114) ; U1_7.F2 v2(41.45,247) U1_7.F1 ; U1_7.F2 v2(42.25,247) ; J13.2 v1(152.4,144) ; U1_2.J5 v2(116.65,157) ; v2(87.7,156.2) U1_3.H5 ; v2(87.7,156.2) U1_3.J5 ; C24.1 137,407.5 v1(137.7,406.8) ; v2(47.85,213.35) U1_1.N9 ; C69.1 119.8,366.15 v1(119.8,366.63) ; C74.1 v1(120.05,359.05) ; U1_3.K5 v2(89.3,156.2) ; U1_3.K5 88.62,156.32 88.5,156.32 ; C26_4.1 C19_4.1 ; v1(80.81,217.01) 80.81,215.86 U2_5.80 ; IC9.2 v1(152.75,151.2) ; U1_9.G4 v2(87.85,304.55) ; U1_9.G4 v2(88.65,303.75) ; v2(87.85,304.55) U1_9.H4 ; U1_2.P3 v2(119.85,154.6) U1_2.P2 v2(120.65,153.8) U1_2.P1 v2(120.65,153) ; U1_2.P3 120.55,155 v3(120.95,155.4) ; C24_8.1 v3(40.66,302.66) ; v2(86.1,156.2) U1_3.G5 ; v1(123.3,246.35) 122.67,246.98 J12.17 118.92,246.98 v1(118.75,247.15) ; v2(117.77,307.78) 117.77,306.58 U1_6.D1 U1_6.D2 v2(118.2,305.35) U1_6.C3 ; v2(82.9,155.4) U1_3.C3 ; v2(82.9,155.4) U1_3.B4 ; U1_3.C3 v2(82.9,154.6) ; U1_3.C3 v2(83.7,154.6) U1_3.D2 U1_3.D1 84.13,153.37 v2(84.13,152.17) ; U1_2.A9 109.55,159.5 v2(109.35,159.5) ; v2(44.65,218.95) U1_1.F6 ; v1(136.3,441.35) 137,442.05 C4.1 ; v1(140.95,440.9) 140.95,440.6 ; 140.95,440.6 140.1,440.6 C14.1 139.4,440.75 v1(139.9,441.25) ; 140.95,440.6 IC3.3 ; U1_6.C3 v2(119,305.35) ; U1_8.P3 v2(48.76,285.3) U1_8.P2 v2(47.63,285.3) U1_8.P1 v2(47.06,285.87) ; C27.1 139.4,406.2 v1(138.85,406.75) ; C98.1 v1(16.9,86.1) ; 88.5,156.32 88.38,156.32 U1_3.J5 ; v1(133.85,363.3) 133.46,363.3 U5.L11 ; 47.85,223.63 v2(47.85,223.75) ; R33.1 v1(144.75,67.45) ; RN1.2 v1(142.25,54.6) ; C88.1 v1(37.95,444.5) ; C75.1 v1(120.05,357.15) ; v1(135.4,364.75) U5.J9 ; v2(115.81,161.39) 115.48,161.06 115.48,160.63 U1_2.H10 115.48,160.57 115.48,159.83 U1_2.H9 ; v2(49.04,244.65) 48.71,244.97 48.28,244.97 U1_7.H10 48.22,244.97 47.48,244.97 U1_7.H9 ; 57.81,290.96 v2(58.16,291.31) ; U3.5 v1(138.25,389.53) ; v3(88.6,151.8) 88.6,152.9 U1_3.J1 U1_3.J2 v2(87.7,154.6) ; C89.1 v1(39.5,443) ; RN3.1 130.95,37.5 v1(130.85,37.4) ; v3(39.45,216.45) 40.55,216.45 U1_1.J1 U1_1.J2 v2(42.25,217.35) ; R31.2 v1(156.95,260.05) ; v3(86.15,308.15) 86.15,307.05 U1_9.J1 U1_9.J2 v2(87.05,305.35) ; v1(154.05,139.4) 153.55,139.4 153.45,139.5 J13.11 ; v1(85.69,217.01) 85.69,215.86 U2_5.60 ; v2(45.45,222.95) U1_1.B7 ; U1_8.P10 v2(52.72,280.21) ; U1_6.D5 v2(117.4,303.75) U1_6.E5 ; RN2.1 v1(118.6,37.5) ; RN2.3 v1(118.55,35.9) ; v1(130.85,35.8) 130.95,35.9 RN3.3 ; U2.1 v1(132.41,395.6) ; U1_7.P3 42.65,239.9 v3(43.05,239.5) ; U1_7.P3 v2(42.25,240.6) U1_7.P2 v2(41.45,239.8) U1_7.P1 v2(40.65,239.8) ; U1.2 v1(149.25,150.9) ; IC4.3 v1(141.2,423.2) ; U6.2 v1(146.76,113.35) ; RN2.4 v1(118.55,35.1) ; J18.8 v1(152.1,111) ; R42.2 v1(117.1,392.1) ; C63.1 v1(120.05,369.7) ; C50.1 v1(149.15,154.15) ; C28.2 v1(123.7,405.5) ; R8.1 v1(126.35,442.25) ; C93.1 v1(63.97,439.9) ; C49.1 v1(152.4,154.8) ; C3_10.1 137.65,79.4 v1(138.45,79.4) ; v1(130.4,442.13) 130.43,442.11 IC2.3 ; IC12.4 v1(125.31,388.02) ; IC14.3 v1(71.65,440.6) ; v1(144.75,78.5) R34.1 R32.1 v1(144.75,74.6) ; C26.1 v1(117.95,417.1) ; C79.1 v1(153.75,390) ; 43.05,250.88 v2(43.05,251) ; C52.1 v1(132.7,397.05) ; IC10.2 v1(156.45,151.15) ; v1(117.1,390.5) R44.2 ; C67.1 v1(119.05,375.85) ; C6_4.1 v3(39.59,170.24)
  TOP w0.17: v1(114.59,66.05) 116.2,66.05 IC1_10.65 ; v1(120.55,76.6) 118.85,74.9 R16_10.1 ; C4_10.1 v1(122.95,71.4) ; C1_10.1 132.95,80.35 v1(132.95,79.57) ; v1(125.49,52.7) R6_10.1 ; R15_10.1 116.25,76.4 v1(115.85,76.8) ; v1(122.95,75.5) 122.45,75 R13_10.1 ; v1(122.05,79.56) 122.15,79.66 C10_10.1 ; R4_10.1 v1(136.55,62.7) ; IC1_10.65 117.35,68.71 v1(117.55,68.91) ; IC1_10.65 117.05,67.5 v1(117.05,67.8) ; R17_10.1 v1(127.05,62.7) ; C6_10.1 v1(132.6,63.25) ; v1(118.21,52.7) R3_10.1 ; R20_10.1 v1(127.05,64.7) ; C9_10.1 v1(106.75,66.2) ; C5_10.1 v1(112.35,59.4) ; C11_10.1 v1(105.95,73.4) ; C7_10.1 v1(105.31,71.2) ; C15_10.1 v1(106.75,61) ; v1(106.75,62.7) R12_10.1 ; QZ1_10.3 v1(137.05,73.6) ; C23_10.1 v1(125.75,78.34) ; C21_10.1 v1(107.45,57.2) ; R7_10.1 v1(136.55,61.2) ; C18_10.1 v1(124.15,74) ; R18_10.1 v1(126.99,70.7)
  TOP w0.18: U3_5.35 v1(109.62,228.7) ; J12.20 v1(123.1,244.58) ; U2_5.29 v1(93.25,213.33) ; U2_5.70 v1(83.25,214.57) ; U3_5.36 v1(108.38,228.7) ; U1_5.73 v1(82.25,245.33) ; U3_5.11 112.05,234.7 v1(112.1,234.65) ; v1(104.9,230.85) 105.55,230.2 U3_5.30 ; J11.1 v1(131.18,270.73) ; U3_5.45 110.98,226.07 112.53,226.07 v1(113.25,225.35) ; J11.10 v1(128.22,277.93) ; J10.1 v1(147.36,176.19) ; U3_5.12 107.02,234.57 106.31,234.57 105.97,234.23 v1(105.97,234.15) ; U3_5.24 v1(108.38,231.7) ; v1(80.6,209.7) 80.75,209.85 U2_5.79 ; v1(113.3,238.45) 113.3,237.2 112.3,236.2 U3_5.5 ; v1(114.7,232.75) 114.25,233.2 U3_5.17 ; J11.11 v1(121.5,278.25) ; v1(104.6,226.1) 104.7,226.2 U3_5.46 ; U1_5.64 84.75,246.65 v1(85.3,246.1) ; J12.11 v1(122.98,251.78) ; U3_5.18 v1(105.92,233.2) ; U3_5.6 105.15,236.2 v1(104.9,235.95) ; J9.4 v1(147,210) ; U1_5.19 v1(95.75,242.87) ; J10.7 v1(147.36,183.81) ; U1_5.53 v1(87.25,245.33) ; v1(119.6,249.7) 119.92,249.38 J12.14 ; U1_5.63 v1(84.75,242.87) ; U1_5.1 v1(100.25,245.33) ; J10.4 v1(150.02,180) ; v1(115.21,227.67) 114.08,228.8 113.65,228.8 112.25,230.2 U3_5.29 ; J11.17 v1(122.98,272.73) ; J12.1 v1(131.18,244.98) ; U3_5.23 v1(109.62,231.7) ; J12.10 v1(128.22,252.18) ; U1_5.54 v1(87.25,249.3) ; J9.7 v1(146.9,213.81) ; U1_5.83 v1(79.75,242.87) ; U2_5.19 v1(95.75,210.87) ; U1_5.89 v1(78.25,245.33) ; U1_5.25 v1(94.25,245.33) ; U2_5.49 v1(88.25,213.33) ; v1(119.5,275.5) 119.87,275.13 J11.14 ; J12.9 v1(131.18,251.38) ; U2_5.89 v1(78.25,213.33) ; U1_5.33 v1(92.25,245.33) ; J11.20 v1(122.93,270.33) ; U2_5.69 v1(83.25,213.33) ; U2_5.50 v1(88.25,214.57) ; U1_5.43 v1(89.75,242.87) ; U1_5.7 v1(98.75,242.87) ; J9.1 148.69,205.09 v1(148.55,204.95) ; U1_5.74 v1(82.25,249.03) ; J11.9 v1(131.18,277.13) ; U1_5.30 v1(93.25,249.03)